# KiCad board pcb.kicad_pcb
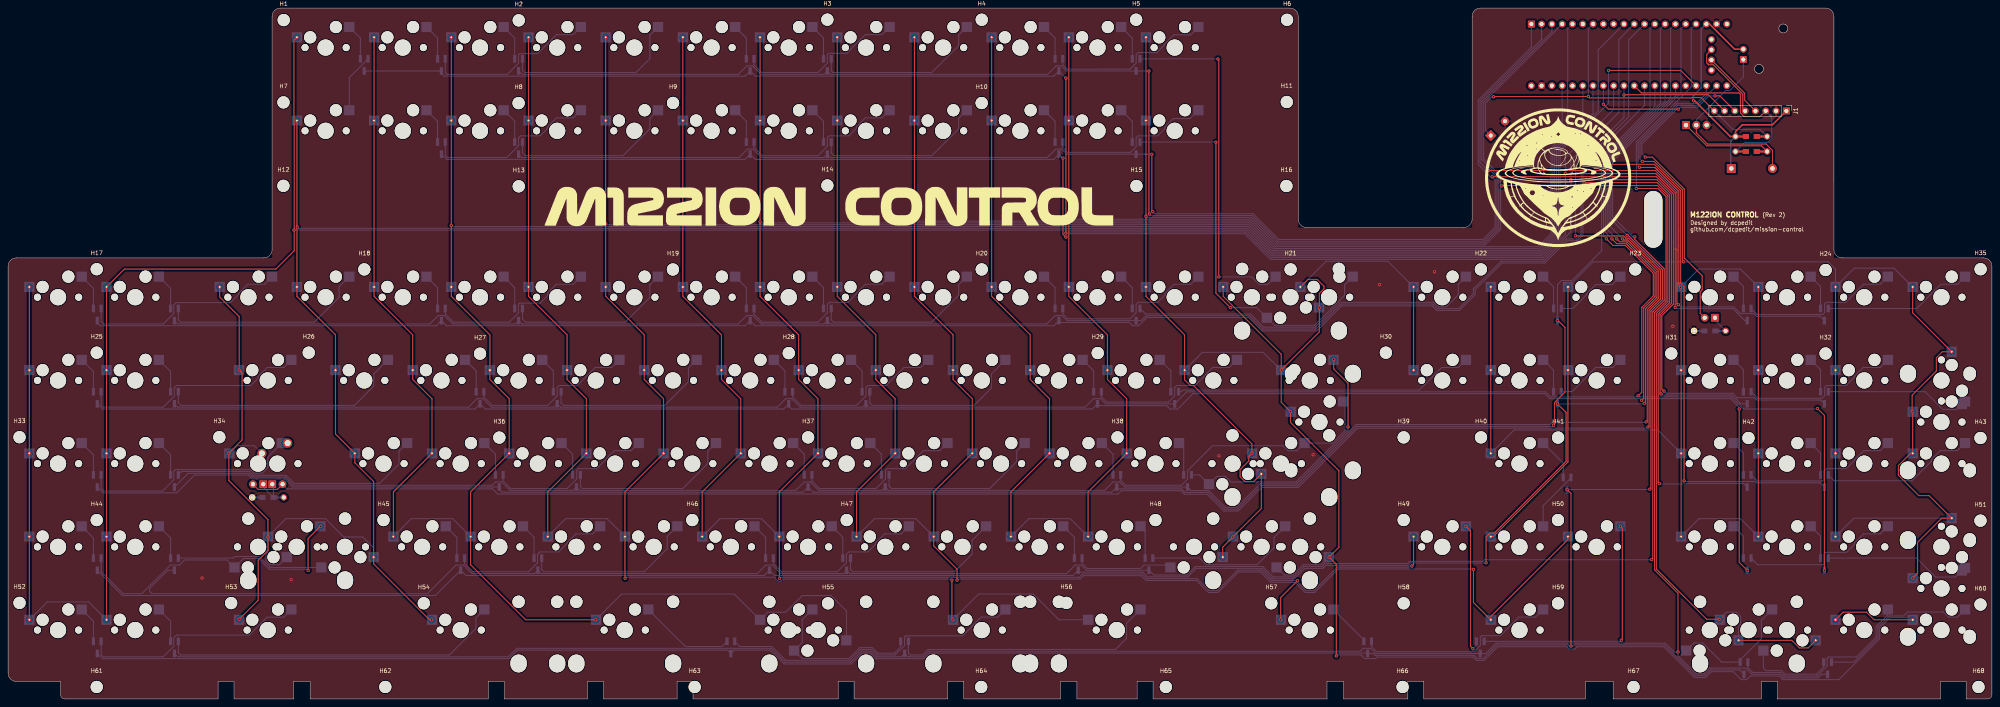
[diagram p0: board, top side]
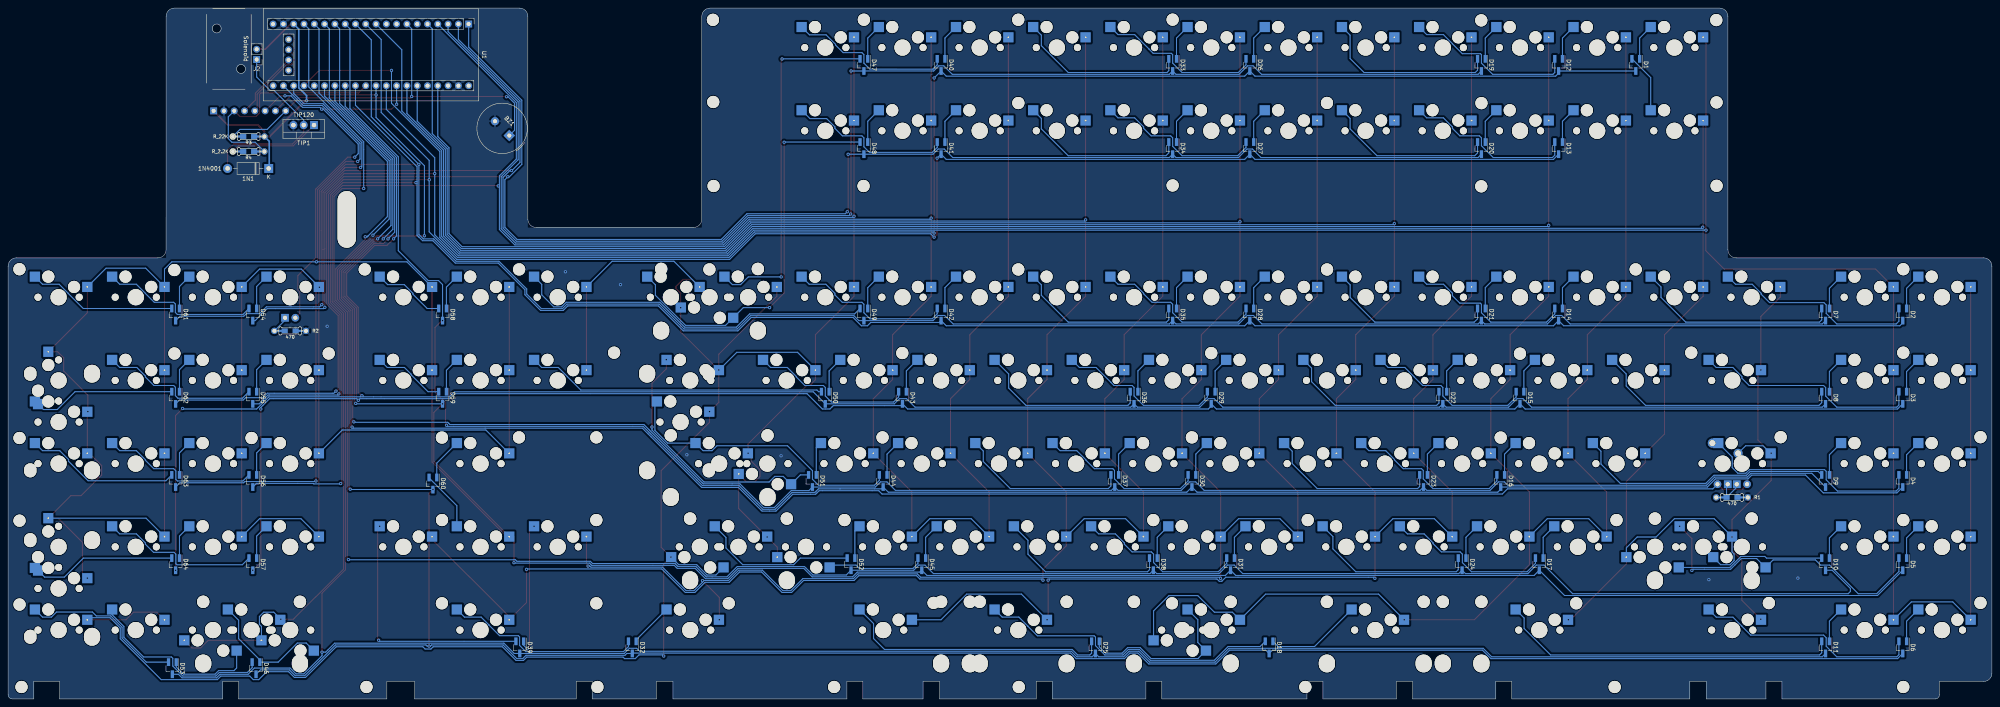
[diagram p1: board, bottom side, seen from below]

Outline 489.58 x 170.69 mm; copper layers: Top, Bottom. Coordinates in mm from the lower left corner of the outline.
Outline path: 0,106.93 0,6.35 arc(0.6,4.91) 2.03,4.32 12.95,4.32 12.95,1.02 arc(13.25,0.3) 13.97,0 51.82,0 51.82,4.32 55.75,4.32 55.75,0 70.48,0 70.48,4.32 74.55,4.32 74.55,0 118.49,0 118.49,4.32 122.43,4.32 122.43,0 143,0 143,4.32 146.94,4.32 146.94,0 165.1,0 165.1,4.32 169.04,4.32 169.04,0 204.85,0 204.85,4.32 208.79,4.32 208.79,0 231.9,0 231.9,4.32 235.84,4.32 235.84,0 259.71,0 259.71,4.32 263.78,4.32 263.78,0 278.64,0 278.64,4.32 282.57,4.32 282.57,0 325.5,0 325.5,4.32 329.56,4.32 329.56,0 345.44,0 345.44,4.32 349.38,4.32 349.38,0 389.25,0 389.25,4.32 396.11,4.32 396.11,0 432.69,0 432.69,4.32 436.63,4.32 436.63,0 476.88,0 476.88,4.32 483.24,4.32 483.24,0 488.57,0 arc(489.29,0.3) 489.58,1.02 489.58,106.93 arc(488.99,108.37) 487.55,108.97 452.63,108.97 arc(451.19,109.56) 450.6,111 450.59,168.66 arc(449.99,170.09) 448.56,170.69 363.35,170.69 arc(361.91,170.09) 361.31,168.66 361.31,118.52 arc(360.72,117.09) 359.28,116.49 320.42,116.49 arc(318.98,117.09) 318.39,118.52 318.39,168.66 arc(317.79,170.09) 316.36,170.69 67.18,170.69 arc(65.75,170.09) 65.15,168.66 65.15,111 arc(64.56,109.56) 63.12,108.97 2.03,108.97 arc(0.6,108.37) 0,106.93
Stack: Top 0.035mm / dielectric 1.51mm FR4 er 4.5 / Bottom 0.035mm

## Placement (name value [footprint] x y rotation side)
1N1  1N4001  [D_DO-41_SOD81_P10.16mm_Horizontal]  425.27 131.06 0 bottom
10U1  10U  [MXOnly-10U-Hotswap-ReversedStabilizers]  192.66 17.01 180 top
BZ1  Buzzer  [Buzzer_TDK_PS1240P02BT_D12.2mm_H6.5mm]  365.9 139.2 45 bottom
D1  BAV70  [SOT-23_Handsoldering]  87.88 156.65 270 bottom
D2  BAV70  [SOT-23_Handsoldering]  22 94.97 270 bottom
D3  BAV70  [SOT-23_Handsoldering]  22 74.41 270 bottom
D4  BAV70  [SOT-23_Handsoldering]  22 53.85 270 bottom
D5  BAV70  [SOT-23_Handsoldering]  22 33.29 270 bottom
D6  BAV70  [SOT-23_Handsoldering]  22 12.73 270 bottom
D7  BAV70  [SOT-23_Handsoldering]  41.05 94.97 270 bottom
D8  BAV70  [SOT-23_Handsoldering]  41.05 74.41 270 bottom
D9  BAV70  [SOT-23_Handsoldering]  41.05 53.85 270 bottom
D10  BAV70  [SOT-23_Handsoldering]  41.05 33.29 270 bottom
D11  BAV70  [SOT-23_Handsoldering]  41.05 12.73 270 bottom
D12  BAV70  [SOT-23_Handsoldering]  106.93 156.65 270 bottom
D13  BAV70  [SOT-23_Handsoldering]  106.93 136.09 270 bottom
D14  BAV70  [SOT-23_Handsoldering]  106.93 94.97 270 bottom
D15  BAV70  [SOT-23_Handsoldering]  116.46 74.41 270 bottom
D16  BAV70  [SOT-23_Handsoldering]  121.22 53.85 270 bottom
D17  BAV70  [SOT-23_Handsoldering]  111.7 33.29 270 bottom
D18  BAV70  [SOT-23_Handsoldering]  178.37 12.73 270 bottom
D19  BAV70  [SOT-23_Handsoldering]  125.98 156.65 270 bottom
D20  BAV70  [SOT-23_Handsoldering]  125.98 136.09 270 bottom
D21  BAV70  [SOT-23_Handsoldering]  125.98 94.97 270 bottom
D22  BAV70  [SOT-23_Handsoldering]  135.51 74.41 270 bottom
D23  BAV70  [SOT-23_Handsoldering]  140.27 53.85 270 bottom
D24  BAV70  [SOT-23_Handsoldering]  130.75 33.29 270 bottom
D25  BAV70  [SOT-23_Handsoldering]  221.23 12.73 270 bottom
D26  BAV70  [SOT-23_Handsoldering]  183.13 156.65 270 bottom
D27  BAV70  [SOT-23_Handsoldering]  183.13 136.09 270 bottom
D28  BAV70  [SOT-23_Handsoldering]  183.13 94.97 270 bottom
D29  BAV70  [SOT-23_Handsoldering]  192.66 74.41 270 bottom
D30  BAV70  [SOT-23_Handsoldering]  197.42 53.85 270 bottom
D31  BAV70  [SOT-23_Handsoldering]  187.9 33.29 270 bottom
D32  BAV70  [SOT-23_Handsoldering]  335.53 12.73 270 bottom
D33  BAV70  [SOT-23_Handsoldering]  202.18 156.65 270 bottom
D34  BAV70  [SOT-23_Handsoldering]  202.18 136.09 270 bottom
D35  BAV70  [SOT-23_Handsoldering]  202.18 94.97 270 bottom
D36  BAV70  [SOT-23_Handsoldering]  211.71 74.41 270 bottom
D37  BAV70  [SOT-23_Handsoldering]  216.47 53.85 270 bottom
D38  BAV70  [SOT-23_Handsoldering]  206.95 33.29 270 bottom
D39  BAV70  [SOT-23_Handsoldering]  363.32 12.73 270 bottom
D40  BAV70  [SOT-23_Handsoldering]  259.33 156.65 270 bottom
D41  BAV70  [SOT-23_Handsoldering]  259.33 136.09 270 bottom
D42  BAV70  [SOT-23_Handsoldering]  259.33 94.97 270 bottom
D43  BAV70  [SOT-23_Handsoldering]  268.86 74.41 270 bottom
D44  BAV70  [SOT-23_Handsoldering]  273.62 53.85 270 bottom
D45  BAV70  [SOT-23_Handsoldering]  264.1 33.29 270 bottom
D46  BAV70  [SOT-23_Handsoldering]  428.4 7.59 270 bottom
D47  BAV70  [SOT-23_Handsoldering]  278.38 156.65 270 bottom
D48  BAV70  [SOT-23_Handsoldering]  278.38 136.09 270 bottom
D49  BAV70  [SOT-23_Handsoldering]  278.38 94.97 270 bottom
D50  BAV70  [SOT-23_Handsoldering]  287.91 74.41 270 bottom
D51  BAV70  [SOT-23_Handsoldering]  291.08 53.85 270 bottom
D52  BAV70  [SOT-23_Handsoldering]  281.56 33.29 270 bottom
D53  BAV70  [SOT-23_Handsoldering]  449.04 7.59 270 bottom
D54  BAV70  [SOT-23_Handsoldering]  429.2 94.97 270 bottom
D55  BAV70  [SOT-23_Handsoldering]  429.2 74.41 270 bottom
D56  BAV70  [SOT-23_Handsoldering]  429.2 53.85 270 bottom
D57  BAV70  [SOT-23_Handsoldering]  429.2 33.29 270 bottom
D58  BAV70  [SOT-23_Handsoldering]  382.37 94.97 270 bottom
D59  BAV70  [SOT-23_Handsoldering]  382.37 74.41 270 bottom
D60  BAV70  [SOT-23_Handsoldering]  384.75 53.2 270 bottom
D61  BAV70  [SOT-23_Handsoldering]  448.25 94.97 270 bottom
D62  BAV70  [SOT-23_Handsoldering]  448.25 74.41 270 bottom
D63  BAV70  [SOT-23_Handsoldering]  448.25 53.85 270 bottom
D64  BAV70  [SOT-23_Handsoldering]  448.25 33.29 270 bottom
G***  LOGO  [mc-logo]  382.52 128.78 0 top
G***#2  LOGO  [mission]  164.59 121.67 0 top
G***#3  LOGO  [control]  239.65 121.67 0 top
H1  MountingHole  [MountingHole_3mm]  68.02 167.73 0 top
H2  MountingHole  [MountingHole_3mm]  126.02 167.66 0 top
H3  MountingHole  [MountingHole_3mm]  202.19 167.83 0 top
H4  MountingHole  [MountingHole_3mm]  240.29 167.81 0 top
H5  MountingHole  [MountingHole_3mm]  278.39 167.82 0 top
H6  MountingHole  [MountingHole_3mm]  315.64 167.79 0 top
H7  MountingHole  [MountingHole_3mm]  67.96 147.39 0 top
H8  MountingHole  [MountingHole_3mm]  125.98 147.21 0 top
H9  MountingHole  [MountingHole_3mm]  164.1 147.25 0 top
H10  MountingHole  [MountingHole_3mm]  240.27 147.23 0 top
H11  MountingHole  [MountingHole_3mm]  315.57 147.49 0 top
H12  MountingHole  [MountingHole_3mm]  67.94 126.77 0 top
H13  MountingHole  [MountingHole_3mm]  126.02 126.65 0 top
H14  MountingHole  [MountingHole_3mm]  202.19 126.86 0 top
H15  MountingHole  [MountingHole_3mm]  278.47 126.73 0 top
H16  MountingHole  [MountingHole_3mm]  315.48 126.73 0 top
H17  MountingHole  [MountingHole_3mm]  21.87 106.17 0 top
H18  MountingHole  [MountingHole_3mm]  87.91 106.12 0 top
H19  MountingHole  [MountingHole_3mm]  164.08 106.1 0 top
H20  MountingHole  [MountingHole_3mm]  240.29 106.11 0 top
H21  MountingHole  [MountingHole_3mm]  316.51 106.12 0 top
H22  MountingHole  [MountingHole_3mm]  363.47 106.12 0 top
H23  MountingHole  [MountingHole_3mm]  401.57 106.12 0 top
H24  MountingHole  [MountingHole_3mm]  448.55 105.97 0 top
H25  MountingHole  [MountingHole_3mm]  21.87 85.55 0 top
H26  MountingHole  [MountingHole_3mm]  74.19 85.55 0 top
H27  MountingHole  [MountingHole_3mm]  116.47 85.3 0 top
H28  MountingHole  [MountingHole_3mm]  192.66 85.44 0 top
H29  MountingHole  [MountingHole_3mm]  268.91 85.46 0 top
H30  MountingHole  [MountingHole_3mm]  340.03 85.55 0 top
H31  MountingHole  [MountingHole_3mm]  410.46 85.35 0 top
H32  MountingHole  [MountingHole_3mm]  448.54 85.34 0 top
H33  MountingHole  [MountingHole_3mm]  2.82 64.67 0 top
H34  MountingHole  [MountingHole_3mm]  52.13 64.67 0 top
H35  MountingHole  [MountingHole_3mm]  486.79 106.17 0 top
H36  MountingHole  [MountingHole_3mm]  121.23 64.57 0 top
H37  MountingHole  [MountingHole_3mm]  197.43 64.62 0 top
H38  MountingHole  [MountingHole_3mm]  273.79 64.62 0 top
H39  MountingHole  [MountingHole_3mm]  344.42 64.62 0 top
H40  MountingHole  [MountingHole_3mm]  363.5 64.62 0 top
H41  MountingHole  [MountingHole_3mm]  382.52 64.57 0 top
H42  MountingHole  [MountingHole_3mm]  429.51 64.47 0 top
H43  MountingHole  [MountingHole_3mm]  486.77 64.47 0 top
H44  MountingHole  [MountingHole_3mm]  21.87 44.19 0 top
H45  MountingHole  [MountingHole_3mm]  92.65 44.19 0 top
H46  MountingHole  [MountingHole_3mm]  168.85 44.19 0 top
H47  MountingHole  [MountingHole_3mm]  206.96 44.19 0 top
H48  MountingHole  [MountingHole_3mm]  283.17 44.19 0 top
H49  MountingHole  [MountingHole_3mm]  344.42 44.2 0 top
H50  MountingHole  [MountingHole_3mm]  382.5 44.2 0 top
H51  MountingHole  [MountingHole_3mm]  486.77 44.04 0 top
H52  MountingHole  [MountingHole_3mm]  2.82 23.72 0 top
H53  MountingHole  [MountingHole_3mm]  55.04 23.67 0 top
H54  MountingHole  [MountingHole_3mm]  102.59 23.62 0 top
H55  MountingHole  [MountingHole_3mm]  202.35 23.62 0 top
H56  MountingHole  [MountingHole_3mm]  261.19 23.72 0 top
H57  MountingHole  [MountingHole_3mm]  311.74 23.62 0 top
H58  MountingHole  [MountingHole_3mm]  344.42 23.62 0 top
H59  MountingHole  [MountingHole_3mm]  382.52 23.62 0 top
H60  MountingHole  [MountingHole_3mm]  486.77 23.32 0 top
H61  MountingHole  [MountingHole_3mm]  21.87 2.95 0 top
H62  MountingHole  [MountingHole_3mm]  93.09 2.95 0 top
H63  MountingHole  [MountingHole_3mm]  169.44 2.95 0 top
H64  MountingHole  [MountingHole_3mm]  240.16 2.95 0 top
H65  MountingHole  [MountingHole_3mm]  285.72 2.95 0 top
H66  MountingHole  [MountingHole_3mm]  344.14 2.95 0 top
H67  MountingHole  [MountingHole_3mm]  401.14 2.95 0 top
H68  MountingHole  [MountingHole_3mm]  486.28 2.95 0 top
H69  CaseHole  [MountingHole_3mm#2]  406.01 118.47 0 top
J1  Conn_01x08_Socket  [PinHeader_1x08_P2.54mm_Vertical]  438.86 145.29 270 top
J2  Conn_01x02_Female  [PinHeader_1x02_P2.54mm_Vertical]  428.24 157.98 0 bottom
MX000  MX-NoLED  [MXOnly-1U-Hotswap]  78.36 160.93 0 top
MX001  MX-NoLED  [MXOnly-1U-Hotswap]  78.36 140.37 0 top
MX002  MX-NoLED  [MXOnly-1U-Hotswap]  97.41 160.93 0 top
MX003  MX-NoLED  [MXOnly-1U-Hotswap]  135.51 160.93 0 top
MX004  MX-NoLED  [MXOnly-1U-Hotswap]  173.61 160.93 0 top
MX005  MX-NoLED  [MXOnly-1U-Hotswap]  211.71 160.93 0 top
MX006  MX-NoLED  [MXOnly-1U-Hotswap]  249.81 160.93 0 top
MX007  MX-NoLED  [MXOnly-1U-Hotswap]  287.91 160.93 0 top
MX008  MX-LED  [MXOnly-1U-Hotswap-LED]  419.98 99.25 0 top
MX009  MX-NoLED  [MXOnly-1U-Hotswap]  458.08 99.25 0 top
MX012  MX-NoLED  [MXOnly-1U-Hotswap]  97.41 140.37 0 top
MX013  MX-NoLED  [MXOnly-1U-Hotswap]  135.51 140.37 0 top
MX014  MX-NoLED  [MXOnly-1U-Hotswap]  173.61 140.37 0 top
MX015  MX-NoLED  [MXOnly-1U-Hotswap]  211.71 140.37 0 top
MX016  MX-NoLED  [MXOnly-1U-Hotswap]  249.81 140.37 0 top
MX017  MX-NoLED  [MXOnly-1U-Hotswap]  287.91 140.37 0 top
MX018  MX-NoLED  [MXOnly-1U-Hotswap]  419.98 78.69 0 top
MX019  MX-NoLED  [MXOnly-1U-Hotswap]  458.08 78.69 0 top
MX020  MX-NoLED  [MXOnly-1U-Hotswap]  12.33 99.25 0 top
MX021  MX-NoLED  [MXOnly-1U-Hotswap]  59.31 99.25 0 top
MX022  MX-NoLED  [MXOnly-1U-Hotswap]  97.41 99.25 0 top
MX023  MX-NoLED  [MXOnly-1U-Hotswap]  135.51 99.25 0 top
MX024  MX-NoLED  [MXOnly-1U-Hotswap]  173.61 99.25 0 top
MX025  MX-NoLED  [MXOnly-1U-Hotswap]  211.71 99.25 0 top
MX026  MX-NoLED  [MXOnly-1U-Hotswap]  249.81 99.25 0 top
MX027  MX-NoLED  [MXOnly-1U-Hotswap]  287.91 99.25 0 top
MX028  MX-NoLED  [MXOnly-1U-Hotswap]  419.98 58.13 0 top
MX029  MX-NoLED  [MXOnly-1U-Hotswap]  458.08 58.13 0 top
MX030  MX-NoLED  [MXOnly-1U-Hotswap]  12.33 78.69 0 top
MX031  MX-NoLED  [MXOnly-1.5U-Hotswap]  64.07 78.69 0 top
MX032  MX-NoLED  [MXOnly-1U-Hotswap]  106.93 78.69 0 top
MX033  MX-NoLED  [MXOnly-1U-Hotswap]  145.03 78.69 0 top
MX034  MX-NoLED  [MXOnly-1U-Hotswap]  183.13 78.69 0 top
MX035  MX-NoLED  [MXOnly-1U-Hotswap]  221.23 78.69 0 top
MX036  MX-NoLED  [MXOnly-1U-Hotswap]  259.33 78.69 0 top
MX037  MX-NoLED  [MXOnly-1U-Hotswap]  297.43 78.69 0 top
MX038  MX-NoLED  [MXOnly-1U-Hotswap]  419.98 37.57 0 top
MX039  MX-NoLED  [MXOnly-1U-Hotswap]  458.08 37.57 0 top
MX040  MX-NoLED  [MXOnly-1U-Hotswap]  12.33 58.13 0 top
MX041  MX-LED  [MXOnly-1.75U]  66.45 58.13 0 top
MX041.125  MX-LED  [MXOnly-1.25U-Hotswap-LED]  61.69 58.13 0 top
MX042  MX-NoLED  [MXOnly-1U-Hotswap]  111.7 58.13 0 top
MX043  MX-NoLED  [MXOnly-1U-Hotswap]  149.8 58.13 0 top
MX044  MX-NoLED  [MXOnly-1U-Hotswap]  187.9 58.13 0 top
MX045  MX-NoLED  [MXOnly-1U-Hotswap]  226 58.13 0 top
MX046  MX-NoLED  [MXOnly-1U-Hotswap]  264.1 58.13 0 top
MX047  MX-NoLED  [MXOnly-2.25U-Hotswap]  314.1 58.13 0 top
MX047.200  MX-NoLED  [MXOnly-ISO-Hotswap]  323.63 68.41 0 top
MX048  MX-NoLED  [MXOnly-1U-Hotswap]  372.99 99.25 0 top
MX049  MX-NoLED  [MXOnly-1U-Hotswap]  392.04 99.25 0 top
MX050  MX-NoLED  [MXOnly-1U-Hotswap]  12.33 37.57 0 top
MX051  MX-NoLED  [MXOnly-2.25U-Hotswap]  71.22 37.57 0 top
MX051.125  MX-NoLED  [MXOnly-1.25U-Hotswap]  61.69 37.57 180 top
MX052  MX-NoLED  [MXOnly-1U-Hotswap]  102.17 37.57 0 top
MX053  MX-NoLED  [MXOnly-1U-Hotswap]  140.27 37.57 0 top
MX054  MX-NoLED  [MXOnly-1U-Hotswap]  178.37 37.57 0 top
MX055  MX-NoLED  [MXOnly-1U-Hotswap]  216.47 37.57 0 top
MX056  MX-NoLED  [MXOnly-1U-Hotswap]  254.57 37.57 0 top
MX057  MX-NoLED  [MXOnly-1U-Hotswap]  292.67 37.57 180 top
MX058  MX-NoLED  [MXOnly-1U-Hotswap]  372.99 78.69 0 top
MX059  MX-NoLED  [MXOnly-1U-Hotswap]  392.04 78.69 0 top
MX060  MX-NoLED  [MXOnly-1U-Hotswap]  12.33 17.01 0 top
MX061  MX-NoLED  [MXOnly-1.5U-Hotswap]  64.07 17.01 0 top
MX062  MX-NoLED  [MXOnly-2.75U-Hotswap]  152.18 17.01 0 top
MX063  MX-NoLED  [MXOnly-2U-Hotswap]  240.28 17.01 0 top
MX064  MX-NoLED  [MXOnly-1.5U-Hotswap]  321.25 17.01 0 top
MX065  MX-NoLED  [MXOnly-1U-Hotswap]  372.99 17.01 0 top
MX066  MX-NoLED  [MXOnly-2U-Hotswap]  429.5 17.01 0 top
MX066.100  MX-NoLED  [MXOnly-1U-Hotswap]  419.98 17.01 180 top
MX067  MX-NoLED  [MXOnly-1U-Hotswap]  458.08 17.01 0 top
MX068  MX-NoLED  [MXOnly-1U-Hotswap]  372.99 58.13 0 top
MX069  MX-NoLED  [MXOnly-1U-Hotswap]  372.99 37.57 0 top
MX072  MX-NoLED  [MXOnly-1U-Hotswap]  116.46 160.93 0 top
MX073  MX-NoLED  [MXOnly-1U-Hotswap]  154.56 160.93 0 top
MX074  MX-NoLED  [MXOnly-1U-Hotswap]  192.66 160.93 0 top
MX075  MX-NoLED  [MXOnly-1U-Hotswap]  230.76 160.93 0 top
MX076  MX-NoLED  [MXOnly-1U-Hotswap]  268.86 160.93 0 top
MX077  MX-NoLED  [MXOnly-1U-Hotswap]  306.96 99.25 0 top
MX078  MX-NoLED  [MXOnly-1U-Hotswap]  439.03 99.25 0 top
MX079  MX-NoLED  [MXOnly-1U-Hotswap]  477.13 99.25 0 top
MX082  MX-NoLED  [MXOnly-1U-Hotswap]  116.46 140.37 0 top
MX083  MX-NoLED  [MXOnly-1U-Hotswap]  154.56 140.37 0 top
MX084  MX-NoLED  [MXOnly-1U-Hotswap]  192.66 140.37 0 top
MX085  MX-NoLED  [MXOnly-1U-Hotswap]  230.76 140.37 0 top
MX086  MX-NoLED  [MXOnly-1U-Hotswap]  268.86 140.37 0 top
MX087  MX-NoLED  [MXOnly-1U-Hotswap]  326.01 99.25 0 top
MX087.200  MX-NoLED  [MXOnly-2U-Hotswap-ReversedStabilizers]  316.48 99.25 180 top
MX088  MX-NoLED  [MXOnly-1U-Hotswap]  439.03 78.69 0 top
MX089  MX-NoLED  [MXOnly-2U-Hotswap-ReversedVerticalStabilizers]  477.13 68.41 0 top
MX089.100  MX-NoLED  [MXOnly-1U-Hotswap]  477.13 78.69 270 top
MX090  MX-NoLED  [MXOnly-1U-Hotswap]  31.38 99.25 0 top
MX091  MX-NoLED  [MXOnly-1U-Hotswap]  78.36 99.25 0 top
MX092  MX-NoLED  [MXOnly-1U-Hotswap]  116.46 99.25 0 top
MX093  MX-NoLED  [MXOnly-1U-Hotswap]  154.56 99.25 0 top
MX094  MX-NoLED  [MXOnly-1U-Hotswap]  192.66 99.25 0 top
MX095  MX-NoLED  [MXOnly-1U-Hotswap]  230.76 99.25 0 top
MX096  MX-NoLED  [MXOnly-1U-Hotswap]  268.86 99.25 0 top
MX097  MX-NoLED  [MXOnly-1U-Hotswap]  353.94 99.25 0 top
MX098  MX-NoLED  [MXOnly-1U-Hotswap]  439.03 58.13 0 top
MX099  MX-NoLED  [MXOnly-1U-Hotswap]  477.13 58.13 0 top
MX100  MX-NoLED  [MXOnly-1U-Hotswap]  31.38 78.69 0 top
MX101  MX-NoLED  [MXOnly-1U-Hotswap]  87.88 78.69 0 top
MX102  MX-NoLED  [MXOnly-1U-Hotswap]  125.98 78.69 0 top
MX103  MX-NoLED  [MXOnly-1U-Hotswap]  164.08 78.69 0 top
MX104  MX-NoLED  [MXOnly-1U-Hotswap]  202.18 78.69 0 top
MX105  MX-NoLED  [MXOnly-1U-Hotswap]  240.28 78.69 0 top
MX106  MX-NoLED  [MXOnly-1U-Hotswap]  278.38 78.69 0 top
MX107  MX-NoLED  [MXOnly-1U-Hotswap]  353.94 78.69 0 top
MX108  MX-NoLED  [MXOnly-1U-Hotswap]  439.03 37.57 0 top
MX109  MX-NoLED  [MXOnly-2U-Hotswap-ReversedVerticalStabilizers]  477.13 27.29 0 top
MX109.100  MX-NoLED  [MXOnly-1U-Hotswap]  477.13 37.57 270 top
MX110  MX-NoLED  [MXOnly-1U-Hotswap]  31.38 58.13 0 top
MX111  MX-NoLED  [MXOnly-1U-Hotswap]  92.65 58.13 0 top
MX112  MX-NoLED  [MXOnly-1U-Hotswap]  130.75 58.13 0 top
MX113  MX-NoLED  [MXOnly-1U-Hotswap]  168.85 58.13 0 top
MX114  MX-NoLED  [MXOnly-1U-Hotswap]  206.95 58.13 0 top
MX115  MX-NoLED  [MXOnly-1U-Hotswap]  245.05 58.13 0 top
MX116  MX-NoLED  [MXOnly-1U-Hotswap]  283.15 58.13 0 top
MX117  MX-NoLED  [MXOnly-1.5U-Hotswap]  321.25 78.69 0 top
MX117.100  MX-NoLED  [MXOnly-1U-Hotswap]  302.2 58.13 180 top
MX120  MX-NoLED  [MXOnly-1U-Hotswap]  31.38 37.57 0 top
MX121  MX-NoLED  [MXOnly-1U-Hotswap]  83.12 37.57 180 top
MX122  MX-NoLED  [MXOnly-1U-Hotswap]  121.22 37.57 0 top
MX123  MX-NoLED  [MXOnly-1U-Hotswap]  159.32 37.57 0 top
MX124  MX-NoLED  [MXOnly-1U-Hotswap]  197.42 37.57 0 top
MX125  MX-NoLED  [MXOnly-1U-Hotswap]  235.52 37.57 0 top
MX126  MX-NoLED  [MXOnly-1U-Hotswap]  273.62 37.57 0 top
MX127  MX-NoLED  [MXOnly-2.75U-Hotswap]  309.34 37.57 0 top
MX127.175  MX-NoLED  [MXOnly-1.75U-Hotswap]  318.87 37.57 180 top
MX130  MX-NoLED  [MXOnly-1U-Hotswap]  31.38 17.01 0 top
MX131  MX-NoLED  [MXOnly-1.5U-Hotswap]  111.7 17.01 0 top
MX132  MX-NoLED  [MXOnly-7U-Hotswap]  192.66 17.01 0 top
MX132.225  MX-NoLED  [MXOnly-2.25U-Hotswap-ReversedStabilizers]  199.8 17.01 180 top
MX133  MX-NoLED  [MXOnly-1.5U-Hotswap]  273.62 17.01 0 top
MX134  MX-NoLED  [MXOnly-1U-Hotswap]  353.94 37.57 0 top
MX135  MX-NoLED  [MXOnly-1U-Hotswap]  392.04 37.57 0 top
MX136  MX-NoLED  [MXOnly-1U-Hotswap]  439.03 17.01 180 top
MX137  MX-NoLED  [MXOnly-1U-Hotswap]  477.13 17.01 0 top
R1  470  [Resistor-Hybrid-Back]  64.14 49.78 0 top
R2  470  [Resistor-Hybrid-Back]  419.98 90.93 0 top
R3  R_22K  [Resistor-Hybrid]  430.22 138.96 180 bottom
R4  R_2.2K  [Resistor-Hybrid]  430.22 135.25 180 bottom
Solenoid  -  [solenoid]  435.1 160.66 90 bottom
TIP1  TIP120  [TO-220-3_Vertical]  414.09 141.79 0 bottom
U1  YAAJ_WeAct_BlackPill_Part_Like_SWD_Breakout  [YAAJ_WeAct_BlackPill_SWD_2]  375.92 166.75 270 bottom

## Library data of the parts
1N1 = -: Description: 50V 1A General Purpose Rectifier Diode, DO-41
BZ1 = -: Description: Buzzer, polarized
D1-D64 = -: Description: Dual 100V 215mA high-speed switching diodes, common cathode, SOT-23
H1-H69 = -: Description: Mounting Hole without connection
J1 = -: Description: Generic connector, single row, 01x08, script generated
J2 = -: Description: Generic connector, single row, 01x02, script generated (kicad-library-utils/schlib/autogen/connector/)
R1-R4 = -: Description: Resistor, small symbol
TIP1 = -: Description: 5A Ic, 60V Vce, Silicon Darlington Power NPN Transistor, TO-220
U1 = -: Description: WeAct STM32F401/411 Black Pill ; not KLC compliant ; SWD broken out

## Footprints (pads in the part's own frame, mm; a bottom-side part is the same pattern mirrored in y, then rotated)
Buzzer_TDK_PS1240P02BT_D12.2mm_H6.5mm
  rect 2x2 hole 1: 1(0,0)
  round 2 hole 1: 2(5,0)
D_DO-41_SOD81_P10.16mm_Horizontal
  rect 2.2x2.2 hole 1.1: 1(0,0)
  oval 2.2x2.2 hole 1.1: 2(10.16,0)
MountingHole_3mm
  round 3 hole 3 unplated: (0,0)
MountingHole_3mm#2
  oval 4.5x14 hole 4.5x14 unplated: (0,0)
MXOnly-1.5U-Hotswap
  round 1.75 hole 1.75 unplated: (-5.08,0) (5.08,0)
  round 3 hole 3 unplated: (-3.81,2.54) (2.54,5.08)
  round 3.988 hole 3.988 unplated: (0,0)
  rect 2.55x2.5 smd far side: 1(-7.085,2.54) 2(5.842,5.08)
MXOnly-1.25U-Hotswap
  round 1.75 hole 1.75 unplated: (-5.08,0) (5.08,0)
  round 3 hole 3 unplated: (-3.81,2.54) (2.54,5.08)
  round 3.988 hole 3.988 unplated: (0,0)
  rect 2.55x2.5 smd far side: 1(-7.085,2.54) 2(5.842,5.08)
MXOnly-1.25U-Hotswap-LED
  round 1.75 hole 1.75 unplated: (-5.08,0) (5.08,0)
  round 3 hole 3 unplated: (-3.81,2.54) (2.54,5.08)
  round 3.988 hole 3.988 unplated: (0,0)
  rect 2.55x2.5 smd far side: 1(-7.085,2.54) 2(5.842,5.08)
  round 1.905 hole 1.04: 3(-1.27,-5.08)
  rect 1.905x1.905 hole 1.04: 4(1.27,-5.08)
MXOnly-1.75U
  round 1.75 hole 1.75 unplated: (-5.08,0) (5.08,0)
  round 3.988 hole 3.988 unplated: (0,0)
  round 2.25 hole 1.47: 1(-3.81,2.54) 2(2.54,5.08)
  round 1.905 hole 1.04: 3(1.27,-5.08)
  rect 1.905x1.905 hole 1.04: 4(-1.27,-5.08)
MXOnly-1.75U-Hotswap
  round 1.75 hole 1.75 unplated: (-5.08,0) (5.08,0)
  round 3 hole 3 unplated: (-3.81,2.54) (2.54,5.08)
  round 3.988 hole 3.988 unplated: (0,0)
  rect 2.55x2.5 smd far side: 1(-7.085,2.54) 2(5.842,5.08)
MXOnly-1U-Hotswap
  round 1.75 hole 1.75 unplated: (-5.08,0) (5.08,0)
  round 3 hole 3 unplated: (-3.81,2.54) (2.54,5.08)
  round 3.988 hole 3.988 unplated: (0,0)
  round 0.8 hole 0.4: 1(-7.085,2.54)
  rect 2.55x2.5 smd far side: 1(-7.085,2.54) 2(5.842,5.08)
MXOnly-1U-Hotswap-LED
  round 1.75 hole 1.75 unplated: (-5.08,0) (5.08,0)
  round 3 hole 3 unplated: (-3.81,2.54) (2.54,5.08)
  round 3.988 hole 3.988 unplated: (0,0)
  rect 2.55x2.5 smd far side: 1(-7.085,2.54) 2(5.842,5.08)
  round 1.905 hole 1.04: 3(-1.27,-5.08)
  rect 1.905x1.905 hole 1.04: 4(1.27,-5.08)
MXOnly-2.25U-Hotswap
  round 3.048 hole 3.048 unplated: (-11.938,6.985) (11.938,6.985)
  oval 3.988x4.388 hole 3.988x4.388 unplated: (-11.938,-8.255) (11.938,-8.255)
  round 1.75 hole 1.75 unplated: (-5.08,0) (5.08,0)
  round 3 hole 3 unplated: (-3.81,2.54) (2.54,5.08)
  round 3.988 hole 3.988 unplated: (0,0)
  rect 2.55x2.5 smd far side: 1(-7.085,2.54) 2(5.842,5.08)
MXOnly-2.25U-Hotswap-ReversedStabilizers
  oval 3.988x4.388 hole 3.988x4.388 unplated: (-11.938,8.255) (11.938,8.255)
  round 3.048 hole 3.048 unplated: (-11.938,-6.985) (11.938,-6.985)
  round 1.75 hole 1.75 unplated: (-5.08,0) (5.08,0)
  round 3 hole 3 unplated: (-3.81,2.54) (2.54,5.08)
  round 3.988 hole 3.988 unplated: (0,0)
  rect 2.55x2.5 smd far side: 1(-7.085,2.54) 2(5.842,5.08)
MXOnly-2.75U-Hotswap
  round 3.048 hole 3.048 unplated: (-11.938,6.985) (11.938,6.985)
  oval 3.988x4.388 hole 3.988x4.388 unplated: (-11.938,-8.255) (11.938,-8.255)
  round 1.75 hole 1.75 unplated: (-5.08,0) (5.08,0)
  round 3 hole 3 unplated: (-3.81,2.54) (2.54,5.08)
  round 3.988 hole 3.988 unplated: (0,0)
  rect 2.55x2.5 smd far side: 1(-7.085,2.54) 2(5.842,5.08)